# Altium PCB PCB_BoargV1_1__x3.PcbDoc (part 1 of 2)
Units mm, origin at the board's own origin, x right, y up, seen from the top; angles counter-clockwise.
Board outline 99.7 x 99.31 mm, 2 copper layers (Top Layer, Bottom Layer); 228 components, 60 nets, 1012 pads, 104 vias.
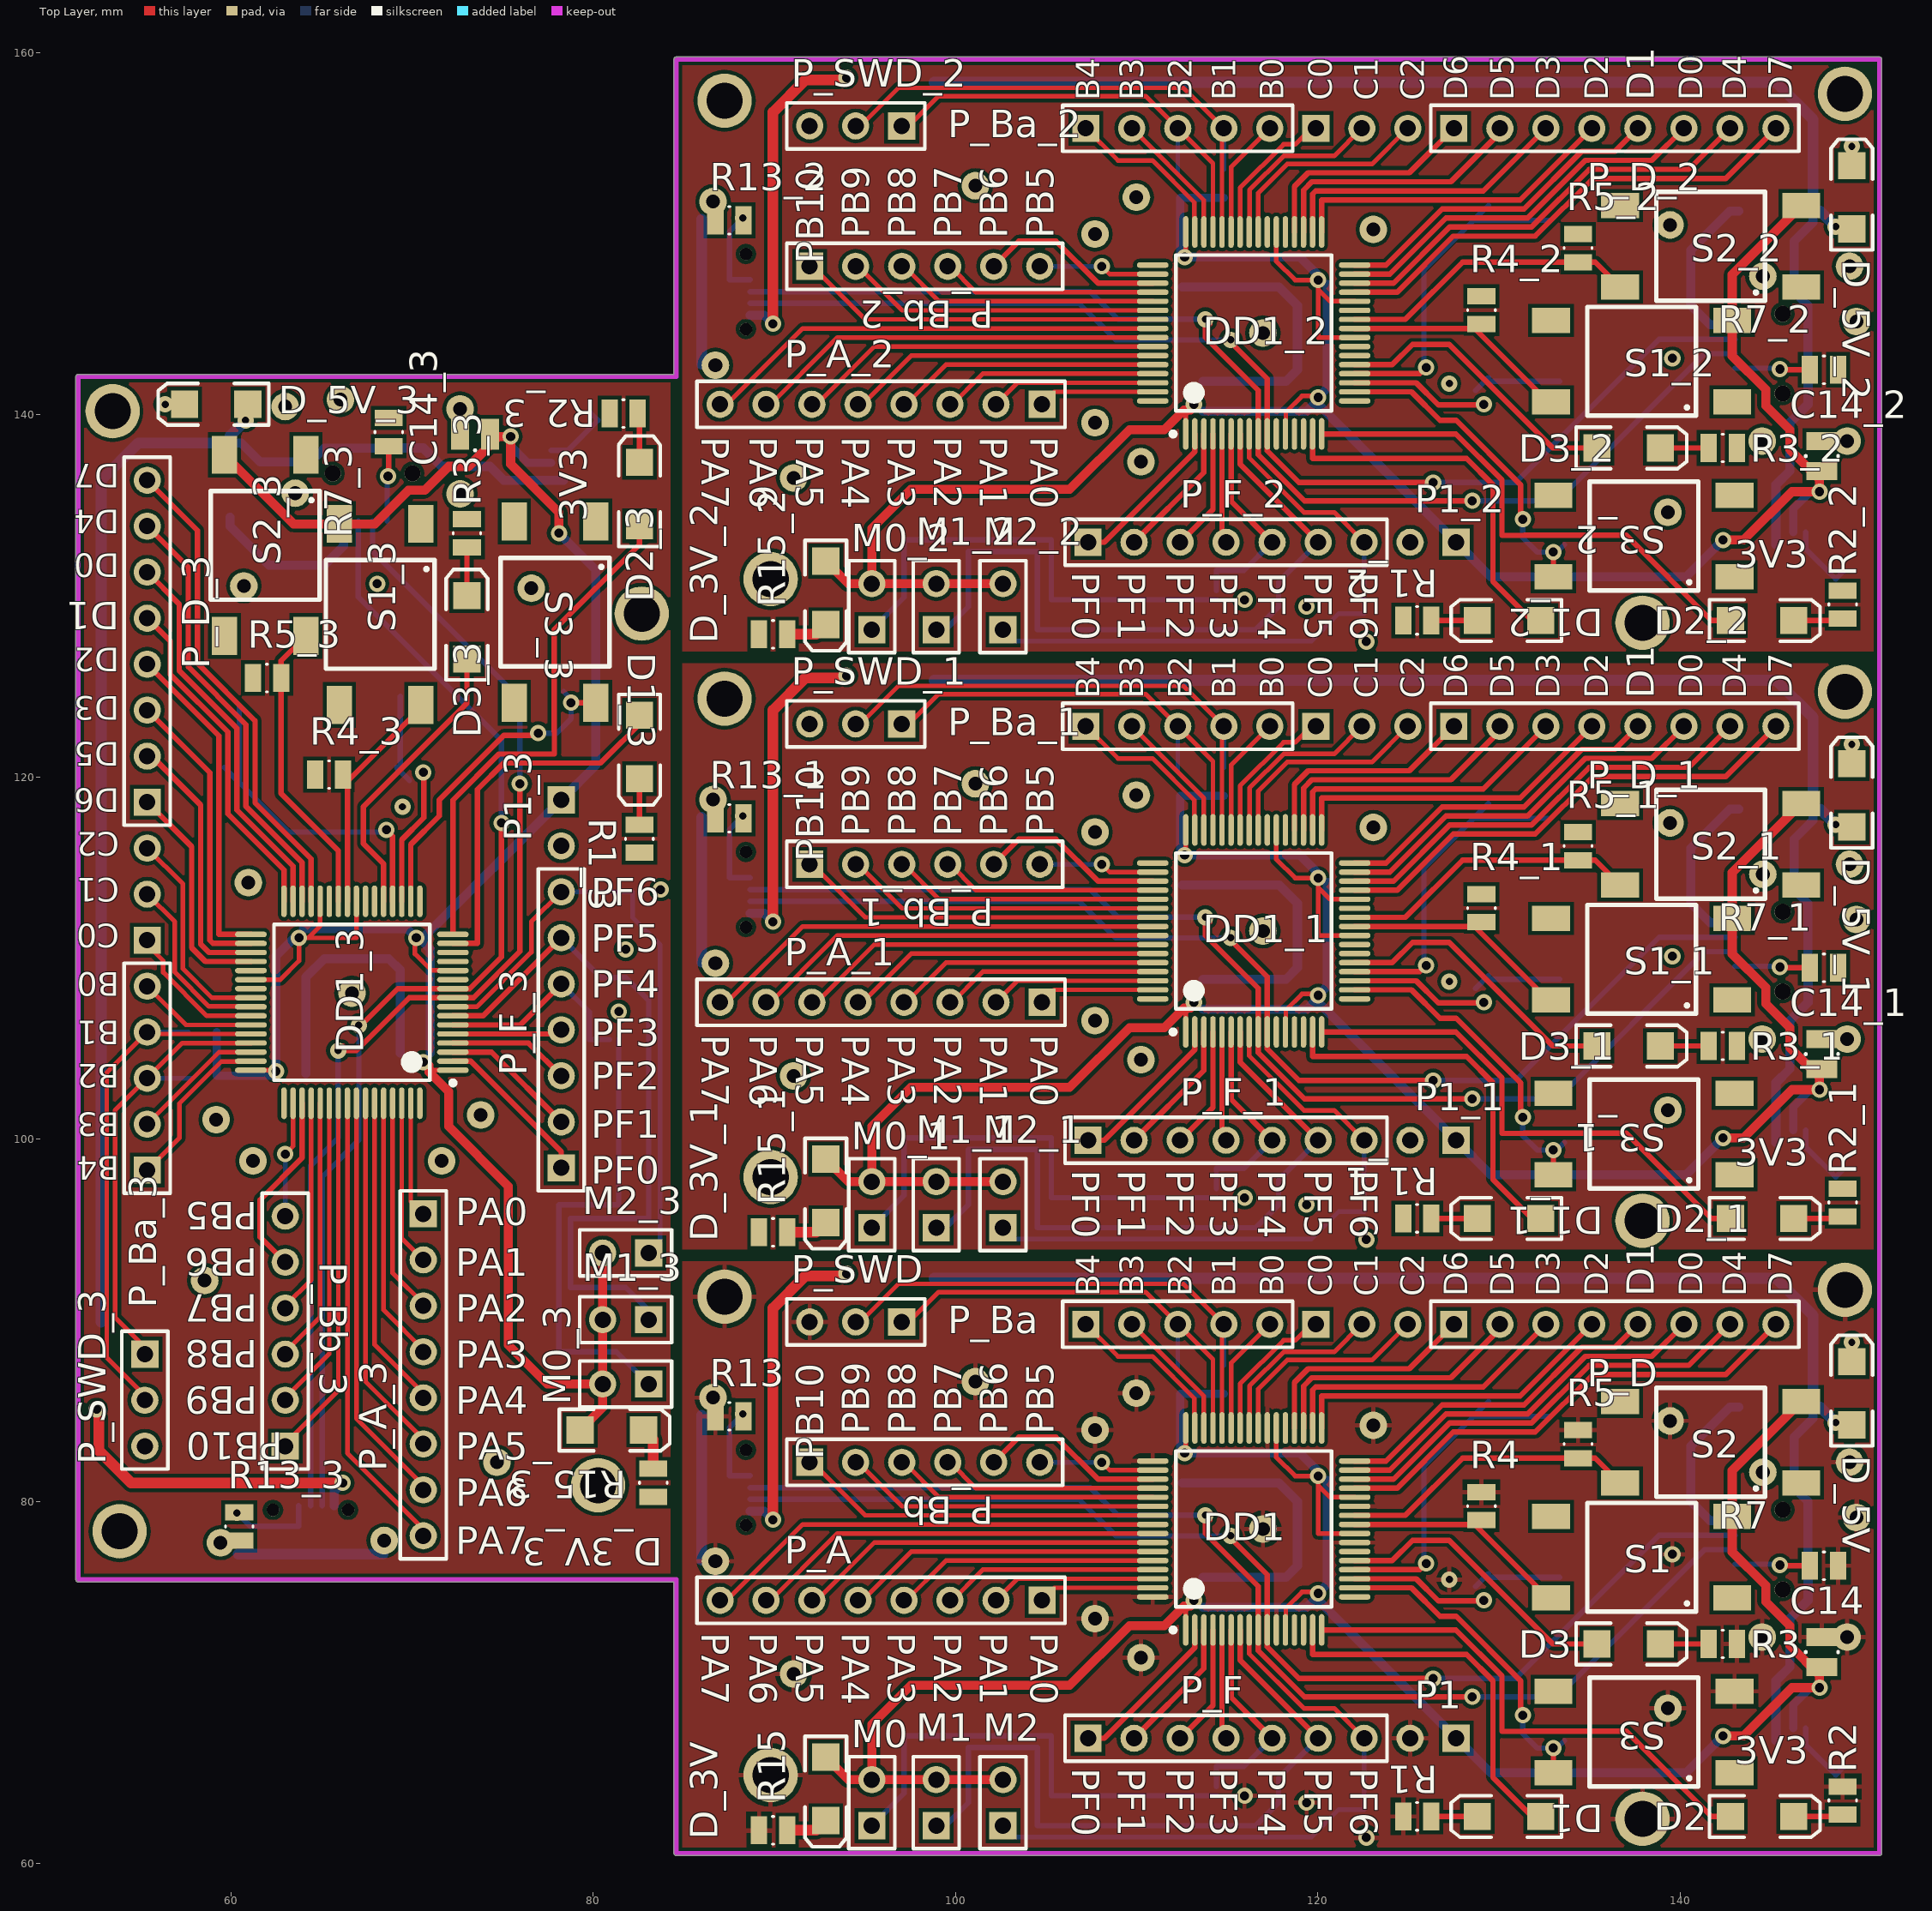
[diagram p0: Top Layer view]
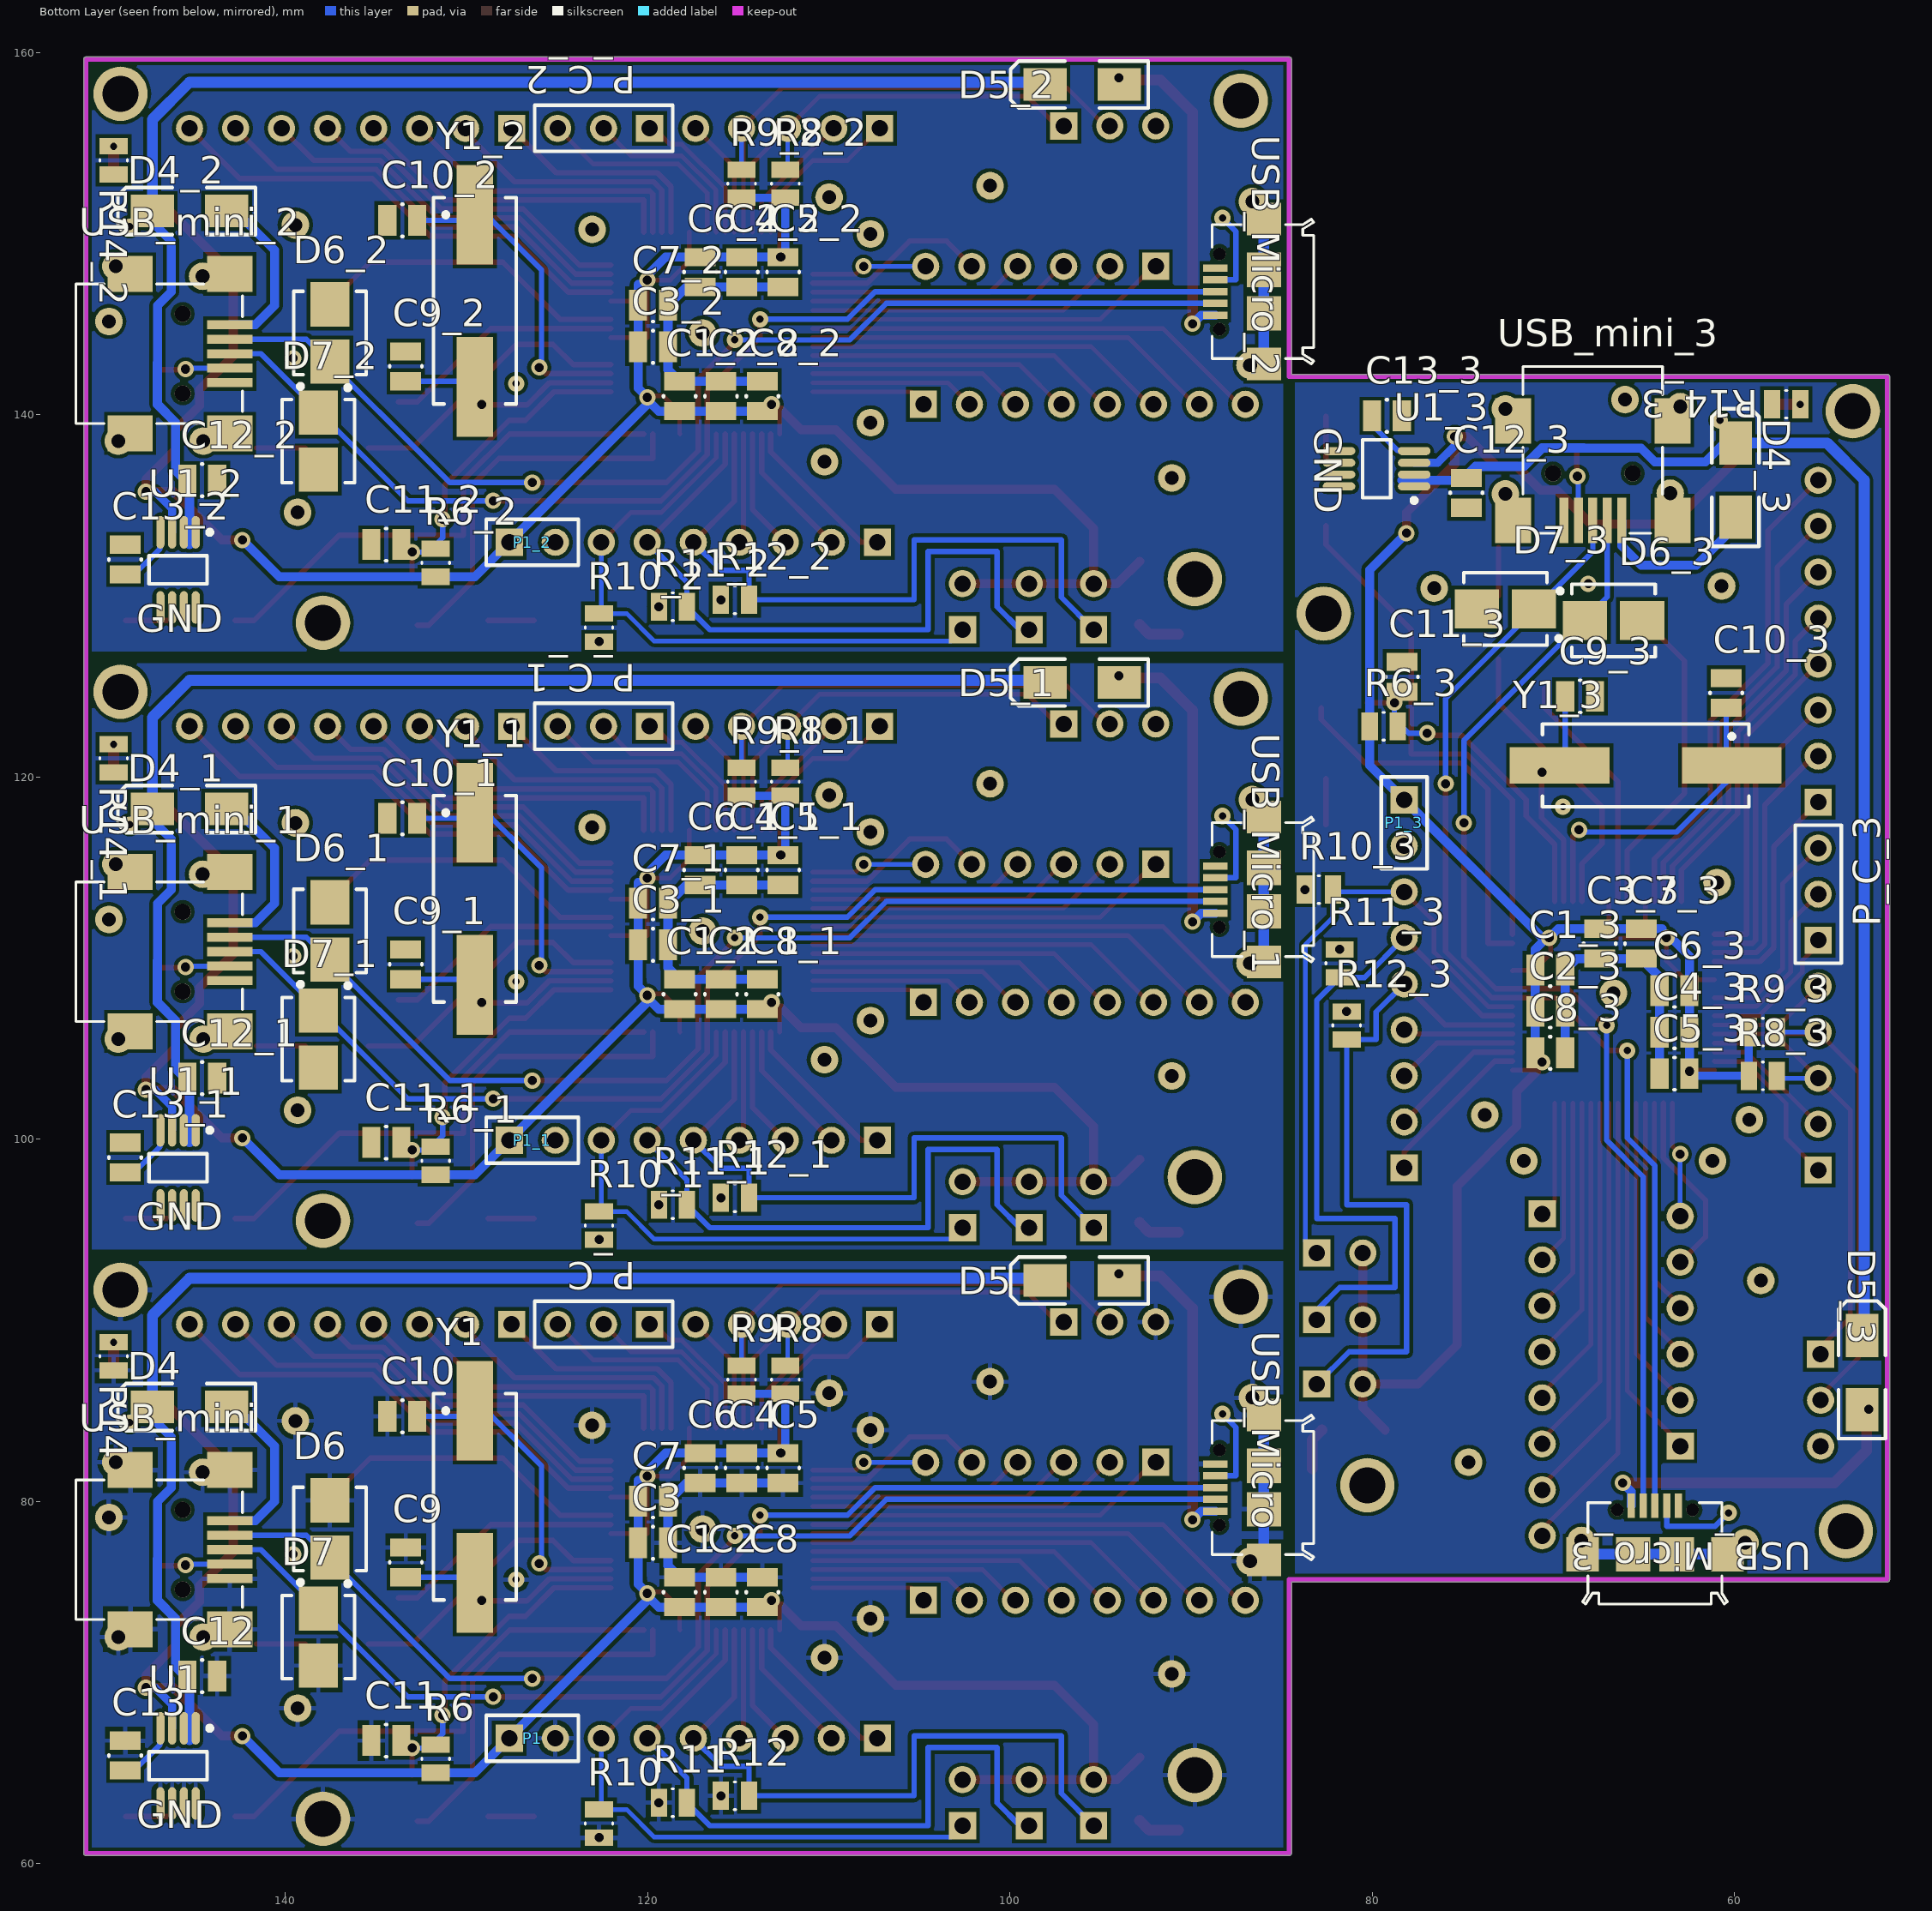
[diagram p1: Bottom Layer view, seen from below]
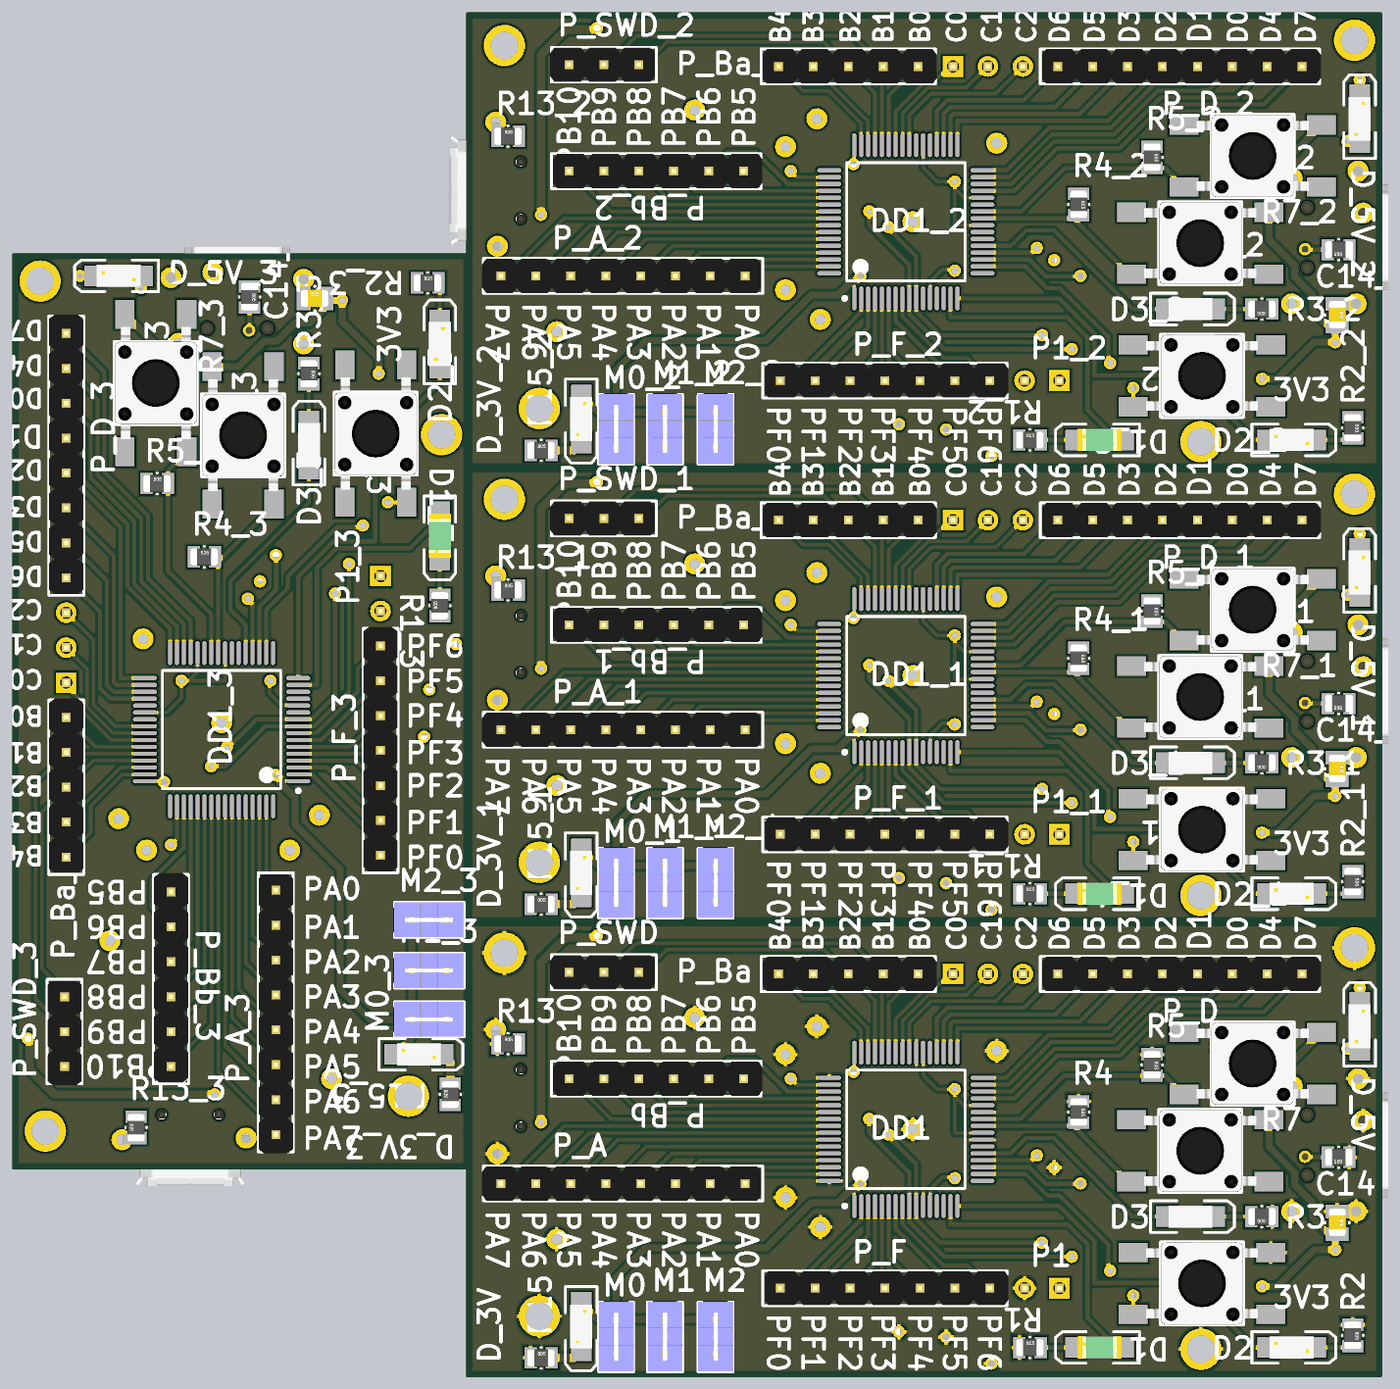
[diagram p3: 3D render of the assembled board from above, using the file's embedded part models]
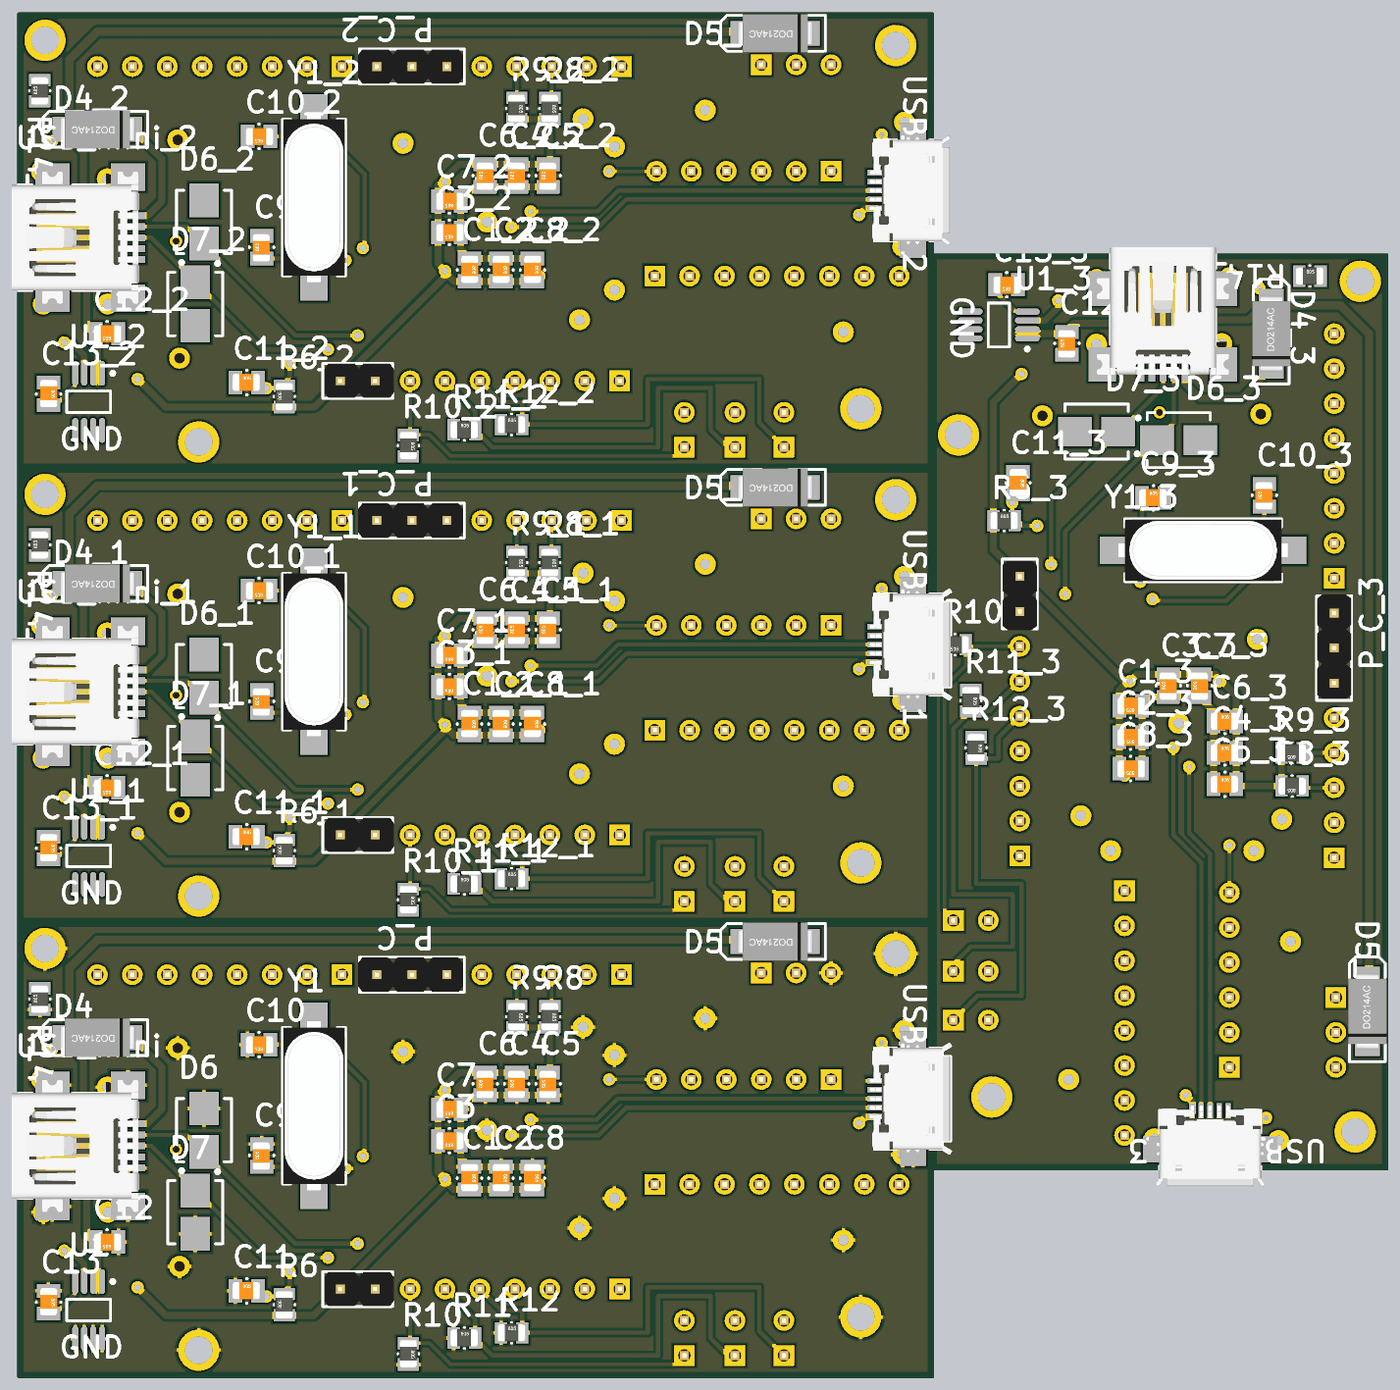
[diagram p4: 3D render of the assembled board from below, using the file's embedded part models]

## Layer stack, top to bottom
Top Solder: solder mask 0.0102, Solder Resist, Dk 3.5
Top Layer: signal copper 0.0356
Dielectric 1: dielectric 0.32, FR-4, Dk 4.8
Bottom Layer: signal copper 0.0356
Bottom Solder: solder mask 0.0102, Solder Resist, Dk 3.5

## Board outline
51.562,75.565 cw(c51.562,75.692) 51.435,75.692 51.435,142.113 cw(c51.562,142.113) 51.562,142.24 84.455,142.24 84.455,159.639 cw(c84.582,159.639) 84.582,159.766 151.003,159.766 cw(c151.003,159.639) 151.13,159.639 151.13,60.579 cw(c151.003,60.579) 151.003,60.452 84.582,60.452 cw(c84.582,60.579) 84.455,60.579 84.455,75.565

## Design rules (kind name [scope] priority, off if disabled: settings)
Clearance [All] p1: gap=0.2
PolygonConnect [All] p1: connectstyle=Relief reliefconductorwidth=0.254 reliefentries=4 polygonreliefangle="90 Angle" airgapwidth=0.254
RoutingVias [All] p1: holewidth=0.6 width=1.27 viastyle="Through Hole" minholewidth=0.4 minwidth=0.8 maxholewidth=0.5 maxwidth=0.9
SolderMaskExpansion [All] p1: expansion=0.102
Width Width_3V3 [InNet('3.3V')] p1: maxlimit=0.9 minlimit=0.254 preferedwidth=0.5
Width Width_5V [InNet('5V')] p2: maxlimit=0.9 minlimit=0.254 preferedwidth=0.5
Width Width_GND [InNet('GND')] p3: maxlimit=0.9 minlimit=0.254 preferedwidth=0.5 minimp=50.000000 maximp=50.000000 favimp=50.000000
Width [All] p4: maxlimit=0.6 minlimit=0.254 preferedwidth=0.3
29 further rules are at their usual default settings.

## Classes and differential pairs
component class SCH_BoargV1: C1 C2 C3 C4 C5 C6 C7 C8 C9 C10 C11 C12 C13 C14 D1 D2 D3 D4 D5 D6 D7 D_3V D_5V DD1 M0 M1 M2 P1 P_A P_Ba P_Bb P_C P_D P_F P_SWD R1 R2 R3 R4 R5 R6 R7 R8 R9 R10 R11 R12 R13 R14 R15 S1 S2 S3 U1 USB_Micro USB_mini Y1

## Components (designator, comment, footprint, x,y, rotation, side; value= is the part's Value field where it differs from the comment)
C1 "CAP" C0805C 118.237,75.819 r270 bottom
C1_1 "CAP" C0805C 118.237,108.839 r270 bottom (schematic designator C1)
C1_2 "CAP" C0805C 118.237,141.859 r270 bottom (schematic designator C1)
C1_3 "CAP" C0805C 69.342,109.347 r0 bottom (schematic designator C1)
C2 "CAP" C0805C 115.951,75.819 r270 bottom
C2_1 "CAP" C0805C 115.951,108.839 r270 bottom (schematic designator C2)
C2_2 "CAP" C0805C 115.951,141.859 r270 bottom (schematic designator C2)
C2_3 "CAP" C0805C 69.342,107.061 r0 bottom (schematic designator C2)
C3 "CAP" C0805C 118.872,77.724 r0 bottom
C3_1 "CAP" C0805C 118.872,110.744 r0 bottom (schematic designator C3)
C3_2 "CAP" C0805C 118.872,143.764 r0 bottom (schematic designator C3)
C3_3 "CAP" C0805C 67.437,109.982 r90 bottom (schematic designator C3)
C4 "CAP" C0805C 114.808,81.026 r90 bottom
C4_1 "CAP" C0805C 114.808,114.046 r90 bottom (schematic designator C4)
C4_2 "CAP" C0805C 114.808,147.066 r90 bottom (schematic designator C4)
C4_3 "CAP" C0805C 64.135,105.918 r180 bottom (schematic designator C4)
C5 "CAP" C0805C 112.522,81.026 r90 bottom
C5_1 "CAP" C0805C 112.522,114.046 r90 bottom (schematic designator C5)
C5_2 "CAP" C0805C 112.522,147.066 r90 bottom (schematic designator C5)
C5_3 "CAP" C0805C 64.135,103.632 r180 bottom (schematic designator C5)
C6 "CAP" C0805C 117.094,81.026 r90 bottom
C6_1 "CAP" C0805C 117.094,114.046 r90 bottom (schematic designator C6)
C6_2 "CAP" C0805C 117.094,147.066 r90 bottom (schematic designator C6)
C6_3 "CAP" C0805C 64.135,108.204 r180 bottom (schematic designator C6)
C7 "CAP" C0805C 118.872,80.01 r0 bottom
C7_1 "CAP" C0805C 118.872,113.03 r0 bottom (schematic designator C7)
C7_2 "CAP" C0805C 118.872,146.05 r0 bottom (schematic designator C7)
C7_3 "CAP" C0805C 65.151,109.982 r90 bottom (schematic designator C7)
C8 "CAP" C0805C 113.665,75.819 r270 bottom
C8_1 "CAP" C0805C 113.665,108.839 r270 bottom (schematic designator C8)
C8_2 "CAP" C0805C 113.665,141.859 r270 bottom (schematic designator C8)
C8_3 "CAP" C0805C 69.342,104.775 r0 bottom (schematic designator C8)
C9 "CAP" C0805C 133.35,75.819 r90 bottom
C9_1 "CAP" C0805C 133.35,108.839 r90 bottom (schematic designator C9)
C9_2 "CAP" C0805C 133.35,141.859 r90 bottom (schematic designator C9)
C9_3 "CAP" C0805C 69.342,124.46 r180 bottom (schematic designator C9)
C10 "CAP" C0805C 132.715,84.709 r0 bottom
C10_1 "CAP" C0805C 132.715,117.729 r0 bottom (schematic designator C10)
C10_2 "CAP" C0805C 132.715,150.749 r0 bottom (schematic designator C10)
C10_3 "CAP" C0805C 60.452,123.825 r90 bottom (schematic designator C10)
C11 "CAP" C0805C 135.255,66.802 r180 bottom
C11_1 "CAP" C0805C 135.255,99.822 r180 bottom (schematic designator C11)
C11_2 "CAP" C0805C 135.255,132.842 r180 bottom (schematic designator C11)
C11_3 "CAP" C0805C 78.359,126.365 r270 bottom (schematic designator C11)
C12 "CAP" C0805C 143.764,70.358 r0 bottom
C12_1 "CAP" C0805C 143.764,103.378 r0 bottom (schematic designator C12)
C12_2 "CAP" C0805C 143.764,136.398 r0 bottom (schematic designator C12)
C12_3 "CAP" C0805C 74.803,134.874 r90 bottom (schematic designator C12)
C13 "CAP" C0805C 148.844,66.802 r270 bottom
C13_1 "CAP" C0805C 148.844,99.822 r270 bottom (schematic designator C13)
C13_2 "CAP" C0805C 148.844,132.842 r270 bottom (schematic designator C13)
C13_3 "CAP" C0805C 78.359,139.954 r0 bottom (schematic designator C13)
C14 "CAP" C0805C 147.828,72.517 r270 top
C14_1 "CAP" C0805C 147.828,105.537 r270 top (schematic designator C14)
C14_2 "CAP" C0805C 147.828,138.557 r270 top (schematic designator C14)
C14_3 "CAP" C0805C 72.644,138.938 r0 top (schematic designator C14)
D1 "LED" LED1206G 130.556,62.611 r180 top
D1_1 "LED" LED1206G 130.556,95.631 r180 top (schematic designator D1)
D1_2 "LED" LED1206G 130.556,128.651 r180 top (schematic designator D1)
D1_3 "LED" LED1206G 82.55,121.666 r270 top (schematic designator D1)
D2 "LED" LED1206R 144.526,62.611 r0 top
D2_1 "LED" LED1206R 144.526,95.631 r0 top (schematic designator D2)
D2_2 "LED" LED1206R 144.526,128.651 r0 top (schematic designator D2)
D2_3 "LED" LED1206R 82.55,135.636 r90 top (schematic designator D2)
D3 "LED" LED1206Y 137.16,72.136 r0 top
D3_1 "LED" LED1206Y 137.16,105.156 r0 top (schematic designator D3)
D3_2 "LED" LED1206Y 137.16,138.176 r0 top (schematic designator D3)
D3_3 "LED" LED1206Y 73.025,128.27 r90 top (schematic designator D3)
D4 "Diode" DSO-C2/X1.8 145.288,85.217 r0 bottom
D4_1 "Diode" DSO-C2/X1.8 145.288,118.237 r0 bottom (schematic designator D4)
D4_2 "Diode" DSO-C2/X1.8 145.288,151.257 r0 bottom (schematic designator D4)
D4_3 "Diode" DSO-C2/X1.8 59.944,136.398 r90 bottom (schematic designator D4)
D5 "Diode" DSO-C2/X1.8 96.012,92.202 r0 bottom
D5_1 "Diode" DSO-C2/X1.8 96.012,125.222 r0 bottom (schematic designator D5)
D5_2 "Diode" DSO-C2/X1.8 96.012,158.242 r0 bottom (schematic designator D5)
D5_3 "Diode" DSO-C2/X1.8 52.959,87.122 r90 bottom (schematic designator D5)
D6 "DiodeTVS" DIOM4336X22N 137.541,78.486 r90 bottom
D6_1 "DiodeTVS" DIOM4336X22N 137.541,111.506 r90 bottom (schematic designator D6)
D6_2 "DiodeTVS" DIOM4336X22N 137.541,144.526 r90 bottom (schematic designator D6)
D6_3 "DiodeTVS" DIOM4336X22N 66.675,128.651 r180 bottom (schematic designator D6)
D7 "DiodeTVS" DIOM4336X22N 138.176,72.517 r270 bottom
D7_1 "DiodeTVS" DIOM4336X22N 138.176,105.537 r270 bottom (schematic designator D7)
D7_2 "DiodeTVS" DIOM4336X22N 138.176,138.557 r270 bottom (schematic designator D7)
D7_3 "DiodeTVS" DIOM4336X22N 72.644,129.286 r0 bottom (schematic designator D7)
D_3V "LED" LED1206R 92.837,64.135 r270 top
D_3V_1 "LED" LED1206R 92.837,97.155 r270 top (schematic designator D_3V)
D_3V_2 "LED" LED1206R 92.837,130.175 r270 top (schematic designator D_3V)
D_3V_3 "LED" LED1206R 81.026,83.947 r0 top (schematic designator D_3V)
D_5V "LED" LED1206R 149.479,85.979 r90 top
D_5V_1 "LED" LED1206R 149.479,118.999 r90 top (schematic designator D_5V)
D_5V_2 "LED" LED1206R 149.479,152.019 r90 top (schematic designator D_5V)
D_5V_3 "LED" LED1206R 59.182,140.589 r180 top (schematic designator D_5V)
DD1 "К1986ВЕ92Q" TSQFP50P1200X1200X160-64N 116.459,78.486 r90 top
DD1_1 "К1986ВЕ92Q" TSQFP50P1200X1200X160-64N 116.459,111.506 r90 top (schematic designator DD1)